# Altium PCB RFPCB_REV-B.PcbDoc (continued)
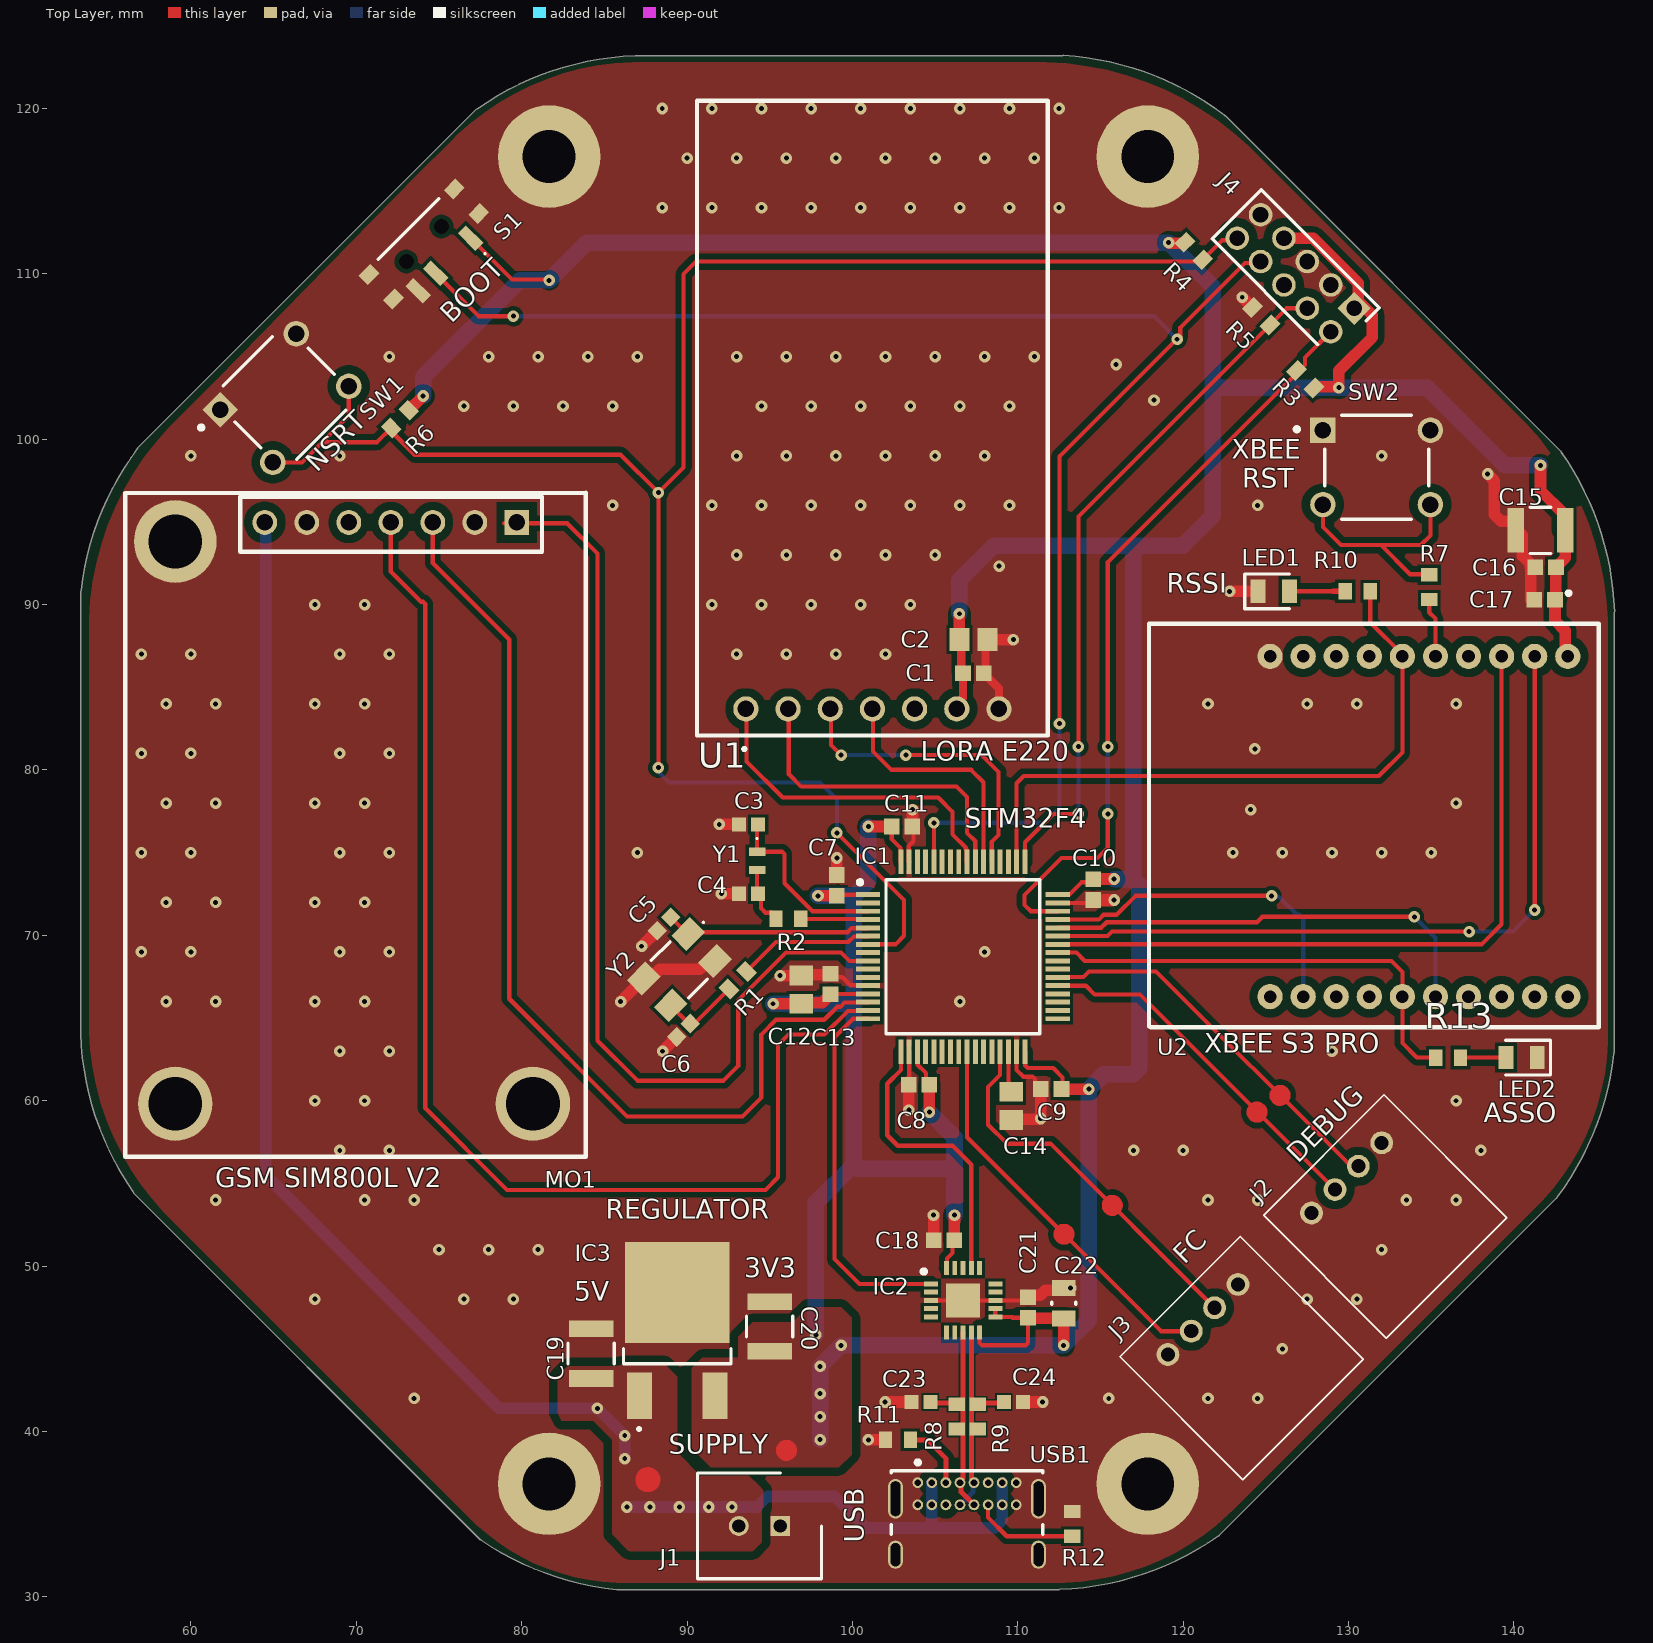
[diagram p0: Top Layer view]
## Part data
C1 C7 C8 C9 C10 C11 C13 C16 C17 C18 C21: library part CMP-001-00017-6, "Chip Capacitor, 100 nF, +/- 10%, 50 V, 0603 (1608 Metric)", Capacitor Type=Ceramic, Case/Package=0603, Max Operating Temperature=125°C, Min Operating Temperature=-55°C, Tolerance=10%, Voltage Rating=50V, Mounting Technology=SM, Pins=2, RoHS Compliant=True
C2 C12 C14: library part CMP-001-00007-6, "Chip Capacitor, 1 uF, +/- 10%, 50 V, 0805 (2012 Metric)", Capacitor Type=Ceramic, Case/Package=0805, Max Operating Temperature=125°C, Min Operating Temperature=-55°C, Tolerance=10%, Voltage Rating=50V, Mounting Technology=SM, Pins=2, RoHS Compliant=True
C3 C4 C5 C6 C23 C24: library part CMP-001-00005-6, "Chip Capacitor, 1 uF, +/- 10%, 25 V, 0603 (1608 Metric)", Capacitor Type=Ceramic, Case/Package=0603, Max Operating Temperature=125°C, Min Operating Temperature=-55°C, Tolerance=10%, Voltage Rating=25V, Mounting Technology=SM, Pins=2, RoHS Compliant=True
C15 C19 C20: library part CMP-03422-000918-1, "CAP CER 1UF 50V X7R 1210", Capacitance=1uF, Manufacturer=Yageo, Manufacturer Part Number=CC1210KKX7R9BB105, Package=CC1210-GA, Temperature="-55°C to +125°C", Temperature Characteristic=X7R, Temperature Coefficient=15%, Temperature Range High=+125°C, Temperature Range Low=-55°C, Tolerance=10%, Voltage Rating=50V, Automotive=No, Category=Cap, ComponentLink2Description=Datasheet, ComponentLink2URL=http://www.yageo.com/documents/recent/UPY-GPHC_X7R_6.3V-to-50V_18.pdf, Device Class L1="Passive Components", Device Class L2=Capacitors, Device Class L3="Ceramic Capacitors", Digikey Description="CAP CER 1UF 50V X7R 1210", Footprint Url=http://www.yageo.com/exep/pages/download/literatures/UPY-C_GEN_24.pdf, Height=1.45mm, Ipc Land Pattern Name=CAPC320250X125, Lead Free=Yes, Material=Ceramic, Mouser Description="1210 1 uF 50 V ±10 % Tolerance X7R SMT Multilayer Ceramic Capacitor", Octopart=https://octopart.com/cc1210kkx7r9bb105-yageo-22054290, RoHS=TRUE
C22: library part CMP-2100-03606-3, "CAP CER 0.1UF 50V X7R 0805", Capacitance="100 nF", Manufacturer=Yageo, Manufacturer Part Number=CC0805KRX7R9BB104, Package=CC0805-0.85, Temperature="-30°C to +85°C", Temperature Characteristic=X7R, Temperature Range High=+85°C, Temperature Range Low=-30°C, Tolerance=0.1, Voltage Rating="50 V", Automotive=No, Category=Cap, ComponentLink2Description=Datasheet, ComponentLink2URL=http://www.yageo.com/documents/recent/UPY-GPHC_Y5V_6.3V-to-50V_8.pdf, Device Class L1="Passive Components", Device Class L2=Capacitors, Device Class L3="Ceramic Capacitors", Digikey Description="CAP CER 0.1UF 50V X7R 0805", Footprint Url=http://www.yageo.com/exep/pages/download/literatures/UPY-C_GEN_24.pdf, Height=0.95mm, Ipc Land Pattern Name=CAPC200125X85, Lead Free=Yes, Material=Ceramic, Mouser Description="Multilayer Ceramic Capacitors MLCC - SMD/SMT 100nF 50V X7R 10%", Octopart=https://octopart.com/cc0805krx7r9bb104-yageo-192993, RoHS=TRUE
IC1: "Integrated Circuit", Manufacturer_Name=STMicroelectronics, Mouser Part Number=511-STM32F446RET6TR, Arrow Part Number=STM32F446RET6TR, Arrow Price/Stock=https://www.arrow.com/en/products/stm32f446ret6tr/stmicroelectronics?utm_currency=USD&region=nac, Datasheet Link=https://www.arrow.com/en/products/stm32f446ret6tr/stmicroelectronics, Height=1.6mm, Manufacturer_Part_Number=STM32F446RET6TR, Mouser Price/Stock=https://www.mouser.co.uk/ProductDetail/STMicroelectronics/STM32F446RET6TR?qs=xZ%2FP%252Ba9zWqYaBJrnMqQZtg%3D%3D
IC2: "Integrated Circuit", Manufacturer_Name="FTDI Chip", Mouser Part Number=895-FT231XQ-R, Arrow Part Number=FT231XQ-R, Arrow Price/Stock=https://www.arrow.com/en/products/ft231xq-r/ftdi-chip?region=nac, Datasheet Link=http://www.ftdichip.com/Support/Documents/DataSheets/ICs/DS_FT231X.pdf, Height=0.8mm, Manufacturer_Part_Number=FT231XQ-R, Mouser Price/Stock=https://www.mouser.co.uk/ProductDetail/FTDI/FT231XQ-R?qs=Gp1Yz1mis3VkAf3iW%252BkumQ%3D%3D
IC3: "Integrated Circuit", Manufacturer_Name=STMicroelectronics, Mouser Part Number=511-LD29150DT33R, Arrow Part Number=LD29150DT33R, Arrow Price/Stock=https://www.arrow.com/en/products/ld29150dt33r/stmicroelectronics?region=nac, Datasheet Link=http://www.st.com/web/en/resource/technical/document/datasheet/CD00003403.pdf, Manufacturer_Part_Number=LD29150DT33R, Mouser Price/Stock=https://www.mouser.co.uk/ProductDetail/STMicroelectronics/LD29150DT33R?qs=M4RLcaOHglr1iYLz8rxZ4g%3D%3D
J1: "Connector", Arrow Part Number=B02B-XASK-1(LF)(SN), Manufacturer_Name="JST (JAPAN SOLDERLESS TERMINALS)", Mouser Part Number=N/A, Arrow Price/Stock=https://www.arrow.com/en/products/b02b-xask-1-lf-sn/jst-manufacturing?utm_currency=USD&region=europe, Datasheet Link=http://www.jst-mfg.com/product/pdf/eng/eXA1.pdf, Height=8.8mm, Manufacturer_Part_Number=B02B-XASK-1(LF)(SN), Mouser Price/Stock=https://www.mouser.co.uk/ProductDetail/JST-Commercial/B02B-XASK-1LFSN?qs=IKkN%2F947nfBty2GocXf7QA%3D%3D
J2 J3: "Connector", Manufacturer_Name=Molex, Arrow Part Number=353630460, Arrow Price/Stock=https://www.arrow.com/en/products/35363-0460/molex?region=nac, Datasheet Link=https://www.molex.com/pdm_docs/sd/353630260_sd.pdf, Height=5.5mm, Manufacturer_Part_Number=353630460
J4: "Connector", Manufacturer_Name=Molex, Mouser Part Number=538-87758-1016, Arrow Part Number=87758-1016, Arrow Price/Stock=https://www.arrow.com/en/products/87758-1016/molex?region=nac, Datasheet Link=http://www.molex.com/pdm_docs/sd/877581016_sd.pdf, Height=5.95mm, Manufacturer_Part_Number=87758-1016, Mouser Price/Stock=https://www.mouser.co.uk/ProductDetail/Molex/87758-1016?qs=9Wl4wMk6NjrOw5AcqxMewg%3D%3D
LED1 LED2: "LED", Manufacturer_Name=Kingbright, Mouser Part Number=N/A, Arrow Part Number=KP-2012CGCK, Arrow Price/Stock=https://www.arrow.com/en/products/kp-2012cgck/kingbright?utm_currency=USD&region=europe, Datasheet Link=https://componentsearchengine.com/Datasheets/2/KP-2012CGCK.pdf, Height=1.1mm, Manufacturer_Part_Number=KP-2012CGCK, Mouser Price/Stock=https://www.mouser.co.uk/ProductDetail/Kingbright/KP-2012CGCK?qs=2JU0tDl2GZ3tjMUbXin2qw%3D%3D
MO1: library part SIM800LV2.0, "GSM Module"
R1 R2 R3 R4 R5 R6 R7 R8 R9 R10 R11 R12 R13: library part CMP-009-00017-5, "Chip Resistor, 10 KOhm, +/- 1%, 01 W, -55 to 155 degC, 0603 (1608 Metric)", Case/Package=0603, Max Operating Temperature=155°C, Min Operating Temperature=-55°C, Power=100mW, Tolerance=1%, Voltage Rating=50V, Mounting Technology=SM, Pins=2, RoHS Compliant=True
S1: "Switch", Manufacturer_Name="Nidec Copal", Mouser Part Number=229-CUS-12TB, Datasheet Link=https://www.nidec-copal-electronics.com/e/catalog/switch/cus.pdf, Height=1.4mm, Manufacturer_Part_Number=CUS-12TB, Mouser Price/Stock=https://www.mouser.co.uk/ProductDetail/Nidec-Components/CUS-12TB?qs=XeJtXLiO41Q1Ug1dC3Bq%2FQ%3D%3D
SW1 SW2: library part CMP-03402-000004-1, "SWITCH TACTILE SPST-NO 0.05A 24V", Contact Current Rating=50mA, Contact Resistance=100mΩ, Manufacturer="TE Connectivity", Operating Force=160gf, Temperature="-35°C to +85°C", Temperature Range High=+85°C, Temperature Range Low=-35°C, Voltage Rating Dc=24V, Automotive=No, Category=Switch, ComponentLink2Description=Datasheet, ComponentLink2URL=https://www.te.com/commerce/DocumentDelivery/DDEController?Action=showdoc&DocId=Customer+Drawing%7F1825910%7FC10%7Fpdf%7FEnglish%7FENG_CD_1825910_C10.pdf%7F2-1825910-7, Device Class L1=Electromechanical, Device Class L2=Switches, Device Class L3="Pushbutton Switches", Digikey Description="SWITCH TACTILE SPST-NO 0.05A 24V", Electromechanical Life=100000Cycles, Height=13.3mm, Lead Free=Yes, Manufacturer Part Number=2-1825910-7, Mount="Through Hole", Mouser Description="Switch Tactile OFF (ON) SPST Extended Round Button PC Pins 0.05A 24VDC 100000Cycles 1.57N Thru-Hole Loose", Octopart=https://octopart.com/2-1825910-7-te+connectivity-42270510, Package=2-1825910-7, RoHS=TRUE, Throw Configuration=SPST-NO
U1: library part "Lora 833"
Y1: "Crystal or Oscillator", Manufacturer_Name=ABRACON, Mouser Part Number=815-ABS05W32.768KD2T, Arrow Part Number=ABS05W-32.768KHZ-D-2-T, Arrow Price/Stock=https://www.arrow.com/en/products/abs05w-32.768khz-d-2-t/abracon?utm_currency=USD&region=nac, Datasheet Link=https://abracon.com/Resonators/ABS05W.pdf, Height=0.5mm, Manufacturer_Part_Number=ABS05W-32.768KHZ-D-2-T, Mouser Price/Stock=https://www.mouser.co.uk/ProductDetail/ABRACON/ABS05W-32.768KHZ-D-2-T?qs=r5DSvlrkXmJ0aADBg3hvfA%3D%3D
Y2: "Crystal or Oscillator", Manufacturer_Name=ABRACON, Datasheet Link=https://abracon.com/AIGcrystals/ABM3BAIG.pdf, Height=0.9mm, Manufacturer_Part_Number=ABM3BAIG-16.000MHZ-12-3-T

## Free pads (board coordinates)
  round 0.127 on Mech2: 1(53.202,74.104) 1(53.202,74.104) 1(53.456,90.779) 1(53.474,90.779) 1(55.268,87.496) 1(55.268,87.476) 1(56.649,54.479) 1(56.688,54.459) 1(77.334,119.849) 1(77.344,119.839) 1(77.59,33.538) 1(77.597,33.546) 1(85.76,30.571) 1(85.76,30.571) 1(86.903,123.071) 1(86.956,123.071) 1(112.456,30.571) 1(112.51,30.571) 1(112.757,123.071) 1(112.757,123.079) 1(122.068,33.803) 1(122.078,33.793) 1(122.449,119.479) 1(122.496,119.431) 1(142.432,54.147) 1(142.489,54.204) 1(142.724,99.183) 1(142.734,99.193) 1(145.937,89.619) 1(145.956,89.571)
  round 6.2 hole 3.2: 2(81.661,36.83) 2(81.661,117.094) 2(117.856,36.83) 2(117.856,117.094)

## Via types
v1: diameter 0.7, hole 0.3, Top Layer to Bottom Layer, tented both sides, 226 vias
v2: diameter 0.7, hole 0.3, Top Layer to Bottom Layer, 3 vias

## Nets (pads, with @x,y where several pads share a name; then routed paths per layer and width w, separated by ;. In a path a pad name is that pad's centre, name@x,y a point inside that pad or via, vN(x,y) a via of type N, cw(c..) or ccw(c..) an arc to the next point about the centre after c; other vN are vias at no path point)
3v3: C1.1 C2.1 C7.1 C8.1 C9.1 C10.1 C11.1 C12.1 C13.1 C15.1 C16.1 C17.1 C18.1 C20.1 C21.1 C22.1 IC1.1 IC1.13 IC1.19 IC1.32 IC1.48 IC1.64 IC2.10 IC2.11 IC2.12 IC2.20 IC3.2 J4.1 J4.7 R3.1 R4.1 R6.1 S1.1 U1.6 U2.1 | length 317.8
  Top Layer w0.254: S1.1 79.414,109.658 81.604,109.658 v1(81.661,109.601) ; C13.1 98.705,66.457 IC1.13 ; C7.1 99.117,72.457 IC1.1 ; C11.1 102.372,75.829 102.907,75.294 102.907,74.468 IC1.64 ; IC1.19 103.953,62.946 103.953,62.167 104.453,61.667 104.453,61.155 C8.1 ; IC2.20 105.711,49.897 105.711,50.466 106.045,50.8 106.045,51.445 C18.1 ; IC2.10@107.688,46.307 IC2.10 107.688,45.361 107.837,45.212 110.462,45.212 110.611,45.361 110.611,46.879 109.687,46.879 109.687,46.924 IC2.11 IC2.12 ; IC1.32 110.453,62.946 110.453,62.125 110.602,61.976 112.141,61.976 112.704,61.413 112.704,60.771 C9.1 ; IC1.48 112.441,72.48 113.12,72.48 113.847,73.207 114.375,73.207 C10.1
  Top Layer w0.5: U1.6 106.309,83.97 106.69,84.351 C1.1 106.577,85.965 106.577,87.772 C2.1
  Top Layer w0.7: R6.1 v2(74.041,102.616) ; v1(95.201,65.864) C12.1 96.96,65.923 98.171,65.923 C13.1 ; v1(97.917,72.39) 99.05,72.39 C7.1 ; v1(100.965,76.581) C11.1 ; v1(104.648,59.309) C8.1 ; C18.1 106.162,52.695 106.172,52.705 v1(106.172,53.086) ; C2.1 v2(106.465,89.447) ; C21.1 110.64,46.85 112.753,46.85 C22.1 v1(112.776,45.212) ; C9.1 v1(114.3,60.706) ; C10.1 114.574,73.406 v1(115.824,73.406) ; v1(119.126,111.887) 119.174,111.839 120.049,111.839 R4.1 ; J4.7 127.872,112.158 130.59,109.44 130.59,108.347 131.445,107.492 131.445,106.172 129.413,104.14 v1(129.413,103.124) 129.365,103.172 128.053,103.172 127.982,103.102 R3.1 ; v1(141.605,98.425) 141.605,96.901 142.955,95.551 142.955,94.538 C15.1@143.005,94.488 ; C15.1 143.105,92.823 C16.1 142.539,90.352 C17.1 142.484,89.037 143.097,88.424 143.097,87.027 U2.1 ; 96.296,38.862 ccw(c96.012,38.862) 96.296,38.862
  Bottom Layer w1: v2(74.041,102.616) 74.041,103.759 79.883,109.601 v1(81.661,109.601) 83.947,111.887 v1(119.126,111.887) 121.793,109.22 121.793,103.124 ; v1(95.201,65.864) 99.871,65.864 100.076,65.659 ; v1(97.79,45.847) 97.79,53.848 100.076,56.134 ; v1(97.917,72.39) 100.076,72.39 ; v1(98.044,39.511) v1(98.044,40.894) v1(98.044,42.291) v1(98.044,43.942) v1(99.314,45.212) v1(112.776,45.212) 114.3,46.736 v1(114.3,60.706) 115.189,61.595 116.967,61.595 117.348,61.976 117.348,73.055 ; v1(100.965,76.581) 100.965,73.279 100.076,72.39 ; v1(104.648,59.309) 106.172,57.785 106.172,55.88 ; v1(106.172,53.086) 106.172,55.88 ; v2(106.465,89.447) 106.465,91.479 108.541,93.555 116.967,93.555 ; v1(115.824,73.406) 116.997,73.406 117.348,73.055 ; v1(141.605,98.425) 139.446,98.425 134.747,103.124 v1(129.413,103.124) 121.793,103.124 ; 100.076,56.134 100.076,65.659 ; 100.076,56.134 100.33,55.88 106.172,55.88 ; 100.076,65.659 100.076,72.39 ; 116.967,93.555 116.967,73.436 117.348,73.055 ; 116.967,93.555 119.971,93.555 121.793,95.377 121.793,103.124
5v: C19.1 IC3.1 J1.2 MO1.7 USB1.A4 USB1.A9 USB1.B4 USB1.B9 | length 99.3
  Top Layer w1: 87.884,37.084 ccw(c87.63,37.084) 87.884,37.084
  Bottom Layer w0.7: MO1.7@64.516,94.967 64.516,55.499 78.613,41.402 v1(84.582,41.402) v1(86.233,39.751) v1(86.233,38.354) ; v1(86.36,35.433) v1(87.757,35.433) v1(89.535,35.433) v1(91.313,35.433) v1(92.71,35.433) 94.234,35.433 94.869,36.068 98.933,36.068 100.838,34.163 108.585,34.163 109.054,34.632 USB1.B4 USB1.A9 ; 104.804,34.573 USB1.B9 USB1.A4
BOOT: IC1.60 J4.8 S1.2 | length 95.4
  Top Layer w0.254: S1.2 77.388,107.442 v1(79.502,107.442) ; IC1.60 v1(104.93,76.807) ; v1(112.522,82.804) 112.522,98.967 v1@119.617,106.062 ; v1(119.634,106.045) 119.828,106.239 119.828,106.747 123.735,110.654 124.589,110.654 J4.8
  Bottom Layer w0.254: v1(79.502,107.442) 118.237,107.442 v1(119.634,106.045) ; v1(104.93,76.807) 111.605,76.807 112.522,77.724 v1(112.522,82.804)
FT_D_N: C24.1 IC2.9 R9.1 R9.2 USB1.A7 USB1.B7 | length 12.5
  Top Layer w0.3: IC2.9 107.188,37.171 107.354,37.005 USB1.A7 ; R9.2 107.639,41.714 109.084,41.714 C24.1
  Bottom Layer w0.3: USB1.B7 107.287,36.343 107.287,36.843 USB1.A7
FT_D_P: C23.1 IC2.8 R8.1 R8.2 USB1.A6 USB1.B6 | length 12.5
  Top Layer w0.3: C23.1 104.784,41.714 106.229,41.714 R8.2 ; IC2.8 106.688,37.189 106.504,37.005 USB1.A6 106.571,36.843 106.571,36.343 USB1.B6
FT_Rx: IC1.17 IC2.17 | length 17.5
  Top Layer w0.254: IC1.17 102.93,61.85 102.108,61.028 102.108,57.912 102.743,57.277 106.045,57.277 107.188,56.134 IC2.17
FT_Tx: IC1.16 IC2.1 | length 22.3
  Top Layer w0.254: IC1.16 100.038,64.957 98.923,63.842 98.923,50.429 100.428,48.924 IC2.1
GND: C1.2 C2.2 C3.2 C4.2 C5.2 C6.2 C7.2 C8.2 C9.2 C10.2 C11.2 C12.2 C13.2 C14.2 C15.2 C16.2 C17.2 C18.2 C19.2 C20.2 C21.2 C22.2 C23.2 C24.2 IC1.12 IC1.18 IC1.31 IC1.47 IC1.63 IC2.3 IC2.13 IC2.21 IC3.3 J1.1 J2.1 J2.4 J3.1 J3.4 J4.3 J4.5 J4.9 LED1.1 LED2.1 MO1.2 MO1.6 MO1.MH1 MO1.MH2 MO1.MH3 pad.2 R5.2 R11.1 R12.1 S1.3 S1.MP1 S1.MP2 S1.MP3 S1.MP4 SW1.1 SW1.2 SW2.1 SW2.2 U1.7 U2.10 USB1.1 USB1.2 USB1.3 USB1.4 USB1.A1 USB1.A12 USB1.B1 USB1.B12 Y2.2 Y2.4 | length 67.2
  Top Layer w0.254: C13.2 98.888,67.472 99.386,67.472 99.878,66.98 100.919,66.98 IC1.12 ; IC1.18 103.43,61.299 C8.2@103.642,61.087 ; IC1.63 103.407,74.468 103.407,75.409 103.688,75.69 C11.2@103.688,76.393 ; IC2.3 IC2.21 IC2.13 110.418,47.924 C21.2 ; IC1.31 109.93,61.85 110.326,61.454 110.892,61.454 111.041,61.306 111.041,61.054 C9.2 ; IC1.47 114.375,71.957 C10.2
  Top Layer w0.5: C2.2 108.052,87.772 108.052,85.964 C1.2 108.859,84.933 U1.7
  Top Layer w0.7: v1(85.979,65.991) Y2.2 87.805,67.392 88.358,67.945 90.762,67.945 91.27,68.453 Y2.4 ; v1(87.249,69.342) C5.2 ; v1(88.519,62.992) C6.2 ; v1(91.948,76.708) C3.2 ; v1(92.075,72.517) C4.2 ; v1(95.631,67.564) C12.2 96.96,67.623 98.621,67.623 C13.2 ; C7.2 v1(99.06,74.676) ; v1(100.965,39.497) R11.1 ; v1(101.981,41.783) C23.2 ; C8.2 103.398,59.456 v1(103.418,59.436) ; C11.2 103.632,76.591 v1(103.632,77.597) ; v1(104.902,53.086) 104.912,53.076 C18.2 ; C2.2 v2(109.728,87.884) ; C14.2 109.64,58.879 111.33,58.879 111.389,58.938 C9.2 ; C24.2 v1(111.506,41.783) ; C21.2 110.742,48.248 111.367,48.248 111.671,48.552 112.651,48.552 C22.2 v1(113.196,48.677) ; C10.2 v1(115.824,72.136) ; v1(122.809,90.805) LED1.1 ; v1(123.571,108.585) R5.2 ; v1(138.411,97.898) 138.811,97.499 138.811,95.448 139.221,95.038 139.905,95.038 140.205,94.738 140.205,94.488 140.505,94.188 140.505,92.967 140.989,92.482 140.989,92.257 141.011,92.235 141.011,90.319 C17.2@141.033,90.297
  other v1: 73.5,42 115.5,42 121.5,42 124.5,42 126,45 67.5,48 76.5,48 79.5,48 127.5,48 130.5,48 75,51 78,51 81,51 132,51 61.5,54 70.5,54 73.5,54 121.5,54 124.5,54 133.5,54 136.5,54 69,57 72,57 117,57 120,57 138,57 111.379,58.928 67.5,60 70.5,60 136.5,60 69,63 72,63 129,63 58.5,66 61.5,66 67.5,66 70.5,66 106.5,66 57,69 60,69 69,69 72,69 108,69 58.5,72 61.5,72 67.5,72 70.5,72 57,75 60,75 69,75 72,75 87,75 123,75 126,75 129,75 132,75 135,75 124.079,77.597 58.5,78 61.5,78 67.5,78 70.5,78 136.5,78 57,81 60,81 69,81 72,81 124.333,81.28 58.5,84 61.5,84 67.5,84 70.5,84 121.5,84 127.5,84 130.5,84 136.5,84 57,87 60,87 69,87 72,87 93,87 96,87 99,87 102,87 67.5,90 70.5,90 91.5,90 94.5,90 97.5,90 100.5,90 103.5,90 108.876,92.329 93,93 96,93 99,93 102,93 105,93 85.5,96 91.5,96 94.5,96 97.5,96 100.5,96 103.5,96 106.5,96 109.5,96 124.5,96 60,99 69,99 93,99 96,99 99,99 102,99 105,99 108,99 132,99 76.5,102 79.5,102 82.5,102 85.5,102 94.5,102 97.5,102 100.5,102 103.5,102 106.5,102 109.5,102 118.237,102.362 115.951,104.521 72,105 78,105 81,105 84,105 87,105 93,105 96,105 99,105 102,105 105,105 108,105 111,105 88.5,114 91.5,114 94.5,114 97.5,114 100.5,114 103.5,114 106.5,114 109.5,114 112.5,114 90,117 93,117 96,117 99,117 102,117 105,117 108,117 111,117 88.5,120 91.5,120 94.5,120 97.5,120 100.5,120 103.5,120 106.5,120 109.5,120 112.5,120
GSM_RST: IC1.9 MO1.1 | length 59
  Top Layer w0.254: 78.942,94.922 79.705,94.922 82.751,94.922 84.582,93.091 84.582,63.627 86.995,61.214 92.202,61.214 93.091,62.103 93.091,66.058 95.994,68.961 99.314,68.961 99.818,68.457 IC1.9
GSM_Rx: IC1.15 MO1.4 | length 74.3
  Top Layer w0.254: MO1.4 72.085,91.999 73.914,90.17 74.035,90.17 74.168,90.037 74.168,59.563 79.121,54.61 94.742,54.61 95.504,55.372 95.504,63.373 96.139,64.008 98.298,64.008 99.724,65.434 100.919,65.434 IC1.15
GSM_Tx: IC1.14 MO1.3 | length 60.4
  Top Layer w0.254: MO1.3 74.625,92.507 79.248,87.884 79.248,66.167 86.36,59.055 93.345,59.055 94.492,60.202 94.492,64.012 95.377,64.897 98.298,64.897 99.08,65.679 99.269,65.679 99.524,65.934 100.919,65.934 IC1.14
HSE_IN: C5.1 IC1.5 Y2.1 | length 12.5
  Top Layer w0.254: C5.1 90.028,70.079 Y2.1 90.174,70.185 99.696,70.185 99.945,70.434 100.919,70.434 IC1.5
HSE_OUT: IC1.6 R1.1 | length 8.2
  Top Layer w0.254: R1.1 95.377,69.596 99.749,69.596 100.087,69.934 100.919,69.934 IC1.6
LoRa_M0: IC1.56 U1.1 | length 20.4
  Top Layer w0.254: U1.1@93.599,83.82 93.599,80.518 95.789,78.328 105.187,78.328 106.045,77.47 106.045,76.109 106.857,75.297 106.857,75.204 106.907,75.154 106.907,74.468 IC1.56
LoRa_M1: IC1.55 U1.2 | length 19.6
  Top Layer w0.254: U1.2@96.149,83.82 96.149,79.746 96.901,78.994 106.299,78.994 106.934,78.359 106.934,76.2 107.43,75.704 IC1.55
LoRa_Rx: IC1.54 U1.4 | length 15
  Top Layer w0.254: U1.4@101.249,83.82 101.249,81.123 102.362,80.01 107.181,80.01 107.93,79.261 IC1.54
LoRa_Tx: IC1.53 U1.3 | length 18.7
  Top Layer w0.254: U1.3@98.699,83.82 98.699,81.514 v1(99.314,80.899) ; v1(103.227,80.899) 107.823,80.899 108.839,79.883 108.839,76.073 108.43,75.664 IC1.53
  Bottom Layer w0.254: v1(99.314,80.899) v1(103.227,80.899)
LSE_IN: C3.1 IC1.3 Y1.1 | length 11.2
  Top Layer w0.254: C3.1@94.234,76.641 Y1.1 ; Y1.1@94.611,74.934 94.357,74.934 Y1.1 ; IC1.3 97.58,71.457 95.885,73.152 95.885,74.908 95.736,75.057 94.611,75.057 94.357,75.057 Y1.1
LSE_OUT: IC1.4 R2.1 | length 4.1
  Top Layer w0.254: R2.1 100.318,70.993 100.331,70.98 100.919,70.98 IC1.4
NetC4_1: C4.1 R2.2 Y1.2 | length 3.7
  Top Layer w0.254: Y1.2 94.234,72.711 C4.1@94.428,72.517 ; C4.1 94.472,72.346 94.472,71.644 94.75,71.366 95.104,71.366 95.377,71.093 R2.2
NetC6_1: C6.1 R1.2 Y2.3 | length 4.9
  Top Layer w0.254: Y2.3 90.104,64.669 C6.1 90.45,64.669 R1.2
NetC14_1: C14.1 IC1.30 | length 2.5
  Top Layer w0.254: IC1.30 109.43,60.877 C14.1@109.728,60.579
NetLED1_2: LED1.2 R10.1 | length 3.4
  Top Layer w0.254: LED1.2 129.056,90.805
  Top Layer w0.354: 129.056,90.805 R10.1
NetLED2_2: LED2.2 R13.1 | length 2.6
  Top Layer w0.254: R13.1@136.906,62.611 LED2.2
NetR7_1: R7.1 SW2.3 SW2.4 | length 14
  Top Layer w0.254: SW2.3 128.449,94.69 129.54,93.599 131.953,93.599 ; R7.1@134.849,91.834 133.718,91.834 131.953,93.599 ; SW2.4 134.949,94.182 134.366,93.599 131.953,93.599
NetR11_2: R11.2 USB1.A5 | length 4.1
  Top Layer w0.3: R11.2 104.521,39.497 105.664,38.354 105.664,36.92 USB1.A5
NetR12_2: R12.2 USB1.B5 | length 6.3
  Top Layer w0.254: USB1.B5 108.204,34.798 109.335,33.667 R12.2
NRST: IC1.7 J4.10 R4.2 R6.2 SW1.3 SW1.4 | length 118.9
  Top Layer w0.254: SW1.3 66.723,98.6 67.945,99.822 ; SW1.4 69.548,101.425 67.945,99.822 ; v1(88.265,80.137) v1(88.265,96.774) ; v1(99.06,76.2) 103.124,72.136 103.124,69.977 102.604,69.457 IC1.7 ; J4.10 123.134,112.027 122.358,112.027 121.076,110.744 121.042,110.778 120.724,110.778 120.69,110.744 90.551,110.744 89.789,109.982 89.789,98.298 v1(88.265,96.774) ; 67.945,99.822 71.247,99.822 R6.2 72.114,100.479 73.533,99.06 85.979,99.06 v1(88.265,96.774)
  Bottom Layer w0.254: v1(88.265,80.137) 88.265,79.883 88.9,79.248 98.044,79.248 99.06,78.232 v1(99.06,76.2)
STM_RX: IC1.29 J3.3 | length 24.8
  Top Layer w0.254: IC1.29 108.93,61.561 108.204,60.835 108.204,58.545 109.345,57.404 111.98,57.404 J3.3
  Top Layer w0.7: 115.996,53.671 ccw(c115.712,53.671) 115.996,53.671
STM_TX: IC1.25 J3.2 | length 25.4
  Top Layer w0.254: IC1.25 106.93,57.789 118.652,46.067 J3.2
  Top Layer w0.7: 113.075,51.928 ccw(c112.791,51.928) 113.075,51.928
SWDCLK: IC1.49 J4.4 R5.1 | length 42.2
  Top Layer w0.254: IC1.49 110.43,75.632 112.141,77.343 v1(113.665,77.343) ; v1(113.665,81.407) 113.665,95.332 R5.1 126.248,107.916 J4.4
  Bottom Layer w0.254: v1(113.665,77.343) v1(113.665,81.407)
SWDIO: IC1.46 J4.2 R3.2 | length 45.8
  Top Layer w0.254: IC1.46 110.788,71.457 110.405,71.84 110.405,72.432 112.649,74.676 114.808,74.676 115.443,75.311 v1(115.443,77.343) ; v1(115.443,81.407) 115.443,92.583 126.937,104.076 127.359,104.499 127.359,104.938 J4.2
  Bottom Layer w0.254: v1(115.443,77.343) v1(115.443,81.407)
UART_RX_BR: IC1.38 J2.3 | length 25
  Top Layer w0.254: IC1.38 112.441,67.48 113.962,67.48 114.3,67.818 118.364,67.818 129.925,56.257 130.375,56.257 J2.3
  Top Layer w0.7: 126.141,60.325 ccw(c125.857,60.325) 126.141,60.325
UART_TX_BR: IC1.37 J2.2 | length 23.6
  Top Layer w0.254: IC1.37 114.111,66.957 114.647,66.421 117.382,66.421 J2.2
  Top Layer w0.7: 124.744,59.309 ccw(c124.46,59.309) 124.744,59.309
Xbee_ASSO: IC1.41 R13.2 U2.15 | length 28
  Top Layer w0.254: IC1.41 113.542,68.957 114.046,68.453 132.588,68.453 133.255,67.786 U2.15 133.255,63.483 134.127,62.611 R13.2
Xbee_CTS: IC1.44 U2.16 | length 27.2
  Top Layer w0.254: IC1.44 115.041,70.457 115.377,70.793 124.457,70.793 124.784,71.12 v1(133.985,71.12)
  Bottom Layer w0.254: v1(133.985,71.12) 135.255,69.85 U2.16
Xbee_RSSI: IC1.50 R10.2 U2.6 | length 39.4
  Top Layer w0.254: IC1.50 109.93,79.196 110.363,79.629 131.826,79.629 133.255,81.058 U2.6 133.255,86.983 131.306,88.932 R10.2
Xbee_RST: R7.2 U2.5 | length 3.6
  Top Layer w0.254: R7.2 134.874,89.535 135.255,89.154 U2.5
Xbee_RTS: IC1.45 U2.12 | length 20.7
  Top Layer w0.254: IC1.45 114.899,70.957 115.189,71.247 115.969,71.247 117.112,72.39 v1(125.349,72.39)
  Bottom Layer w0.254: v1(125.349,72.39) 125.421,72.318 125.802,72.318 126.873,71.247 127,71.247 127.255,70.992 U2.12
Xbee_RxD: IC1.43 U2.2 | length 44.8
  Top Layer w0.254: IC1.43 115.423,69.957 115.697,70.231 v1(137.287,70.231) ; v1(141.255,71.532) U2.2
  Bottom Layer w0.254: v1(137.287,70.231) 139.954,70.231 v1(141.255,71.532)
Xbee_TxD: IC1.42 U2.3 | length 43.5
  Top Layer w0.254: IC1.42 138.037,69.457 139.255,70.675 U2.3
pads on no net: IC1.2 IC1.8 IC1.10 IC1.11 IC1.20 IC1.21 IC1.22 IC1.23 IC1.24 IC1.26 IC1.27 IC1.28 IC1.33 IC1.34 IC1.35 IC1.36 IC1.39 IC1.40 IC1.51 IC1.52 IC1.57 IC1.58 IC1.59 IC1.61 IC1.62 IC2.2 IC2.4 IC2.5 IC2.6 IC2.7 IC2.14 IC2.15 IC2.16 IC2.18 IC2.19 J4.6 MO1.5 S1.MH1 S1.MH2 U1.5 U2.4 U2.7 U2.8 U2.9 U2.11 U2.13 U2.14 U2.17 U2.18 U2.19 U2.20 USB1.A8 USB1.B8

## Polygon pours and split planes (outlines as drawn)
GND on Top Layer "GND_L01_P010" (solid, remove dead copper, pour order 10): 73.66,115.951 75.77,118.061 cw(c87.232,106.599) 87.233,122.809 111.111,122.809 cw(c111.111,104.072) 124.36,117.321 140.352,101.329 cw(c127.516,88.493) 145.669,88.492 145.669,63.991 cw(c130.993,63.991) 141.37,53.613 123.059,35.302 cw(c112.337,46.023) 112.337,30.861 86.155,30.861 cw(c86.155,43.856) 76.966,34.667 58.76,52.873 cw(c70.619,64.732) 53.848,64.732 53.848,88.535 cw(c71.591,88.535) 59.045,101.082 61.595,103.632
5v on Top Layer "5V_L01_P000" (solid, remove dead copper, pour order 0): 86.233,44.069 88.646,44.069 89.408,43.307 89.408,38.735 90.805,37.338 93.726,37.338 94.615,36.449 94.615,33.401 93.98,32.766 86.487,32.766 85.471,33.782 85.471,39.497 84.328,40.64 82.423,40.64 82.169,41.148 82.169,43.307 82.804,43.942 85.598,43.942
3v3 on Top Layer "3V3_L01_P009" (solid, remove dead copper, pour order 9): 90.297,43.815 90.297,43.434 90.297,38.989 91.44,37.846 99.187,37.846 99.949,38.608 99.949,46.863 99.314,47.498 97.282,47.498 96.393,46.609 93.98,46.609 93.091,45.72 93.091,44.45 90.932,44.45
GND on Bottom Layer "GND_L02_P011" (solid, remove dead copper, pour order 11): 73.66,116.078 75.77,118.188 cw(c87.232,106.726) 87.233,122.936 111.111,122.936 cw(c111.111,104.199) 124.36,117.448 140.352,101.456 cw(c127.516,88.62) 145.669,88.619 145.669,64.118 cw(c130.993,64.118) 141.37,53.74 123.059,35.429 cw(c112.337,46.15) 112.337,30.988 86.155,30.988 cw(c86.155,43.983) 76.966,34.794 58.76,53 cw(c70.619,64.859) 53.848,64.859 53.848,88.662 cw(c71.591,88.662) 59.045,101.209 61.595,103.759

## Silkscreen, mask and mechanical layers (free items; w line width, h text height)
Top Overlay:
  text "BOOT" at 76.052,106.674 h2 r45
  text "XBEE" at 122.932,98.421 h2
  text "NSRT" at 67.924,97.657 h2 r45
  text "RST" at 123.567,96.673 h2
  text "RSSI" at 118.995,90.323 h2
  text "LORA E220" at 104.136,80.163 h2
  text "STM32F4" at 106.803,76.099 h2
  text "XBEE S3 PRO" at 121.281,62.51 h2
  text "ASSO" at 138.172,58.319 h2
  text "DEBUG" at 127.233,55.874 h2 r45
  text "GSM SIM800L V2" at 61.464,54.382 h2
  text "REGULATOR" at 85.086,52.477 h2
  text "FC" at 120.375,49.778 h2 r45
  text "3V3" at 93.468,48.921 h2
  text "5V" at 83.181,47.524 h2
  text "SUPPLY" at 88.896,38.253 h2
  text "USB" at 101.066,33.27 h2 r90
Top 3D Body:
  lines w0.254: 53.456,64.071 ccw(c71.074,64.646) 56.688,54.459 ; 53.474,90.779 cw(c70.989,88.796) 56.919,99.414 ; 77.344,119.839 cw(c87.531,105.454) 86.956,123.071 ; 77.597,33.546 ccw(c87.527,48.11) 85.76,30.571 ; 112.456,30.571 ccw(c111.882,48.189) 122.068,33.803 ; 112.757,123.079 cw(c111.72,105.483) 122.496,119.431 ; 142.432,54.147 ccw(c128.397,64.811) 145.938,63.073 ; 142.724,99.183 cw(c128.339,88.997) 145.956,89.571
Top Courtyard:
  circle w0.013: c81.661,36.83 r3.1
  circle w0.013: c81.661,117.094 r3.1
  circle w0.013: c117.856,36.83 r3.1
  circle w0.013: c117.856,117.094 r3.1
Board:
  circle w0.013: c81.661,36.83 r1.6
  circle w0.013: c81.661,117.094 r1.6
  circle w0.013: c118.364,11.43 r1.6
  circle w0.013: c117.856,117.094 r1.6
Drill Drawing:
  drawing of 184 lines, arcs and shapes, not listed
  text "Symbol" at 43.031,197.358 h1.83
  text "Count" at 55.88,197.358 h1.83
  text "Hole Size" at 71.116,197.358 h1.83
  text "Plated" at 100.317,197.358 h1.83
  text "Hole Type" at 113.167,197.358 h1.83
  text "Drill Layer Pair" at 131.805,197.358 h1.83
  text "Via/Pad" at 169.894,197.358 h1.83
  text "Pad Shape" at 184.876,197.358 h1.83
  text "Template" at 212.554,197.358 h1.83
  text "Description" at 254.197,197.358 h1.83
  text "Hole Tolerance (+)" at 275.883,197.358 h1.83
  text "Hole Tolerance (-)" at 309.757,197.358 h1.83
  text "Hole Length" at 343.63,197.358 h1.83
  text "Routed Path Length" at 371.562,197.358 h1.83
  text "2" at 55.88,193.548 h1.52
  text "31.50mil (0.800mm)" at 71.116,193.548 h1.52
  text "PTH" at 100.317,193.548 h1.52
  text "Round" at 113.167,193.548 h1.52
  text "Top Layer - Bottom Layer" at 131.805,193.548 h1.52
  text "Pad" at 169.894,193.548 h1.52
  text "(Mixed)" at 184.876,193.548 h1.52
  text "(Mixed)" at 212.554,193.548 h1.52
  text "-" at 343.63,193.548 h1.52
  text "-" at 371.562,193.548 h1.52
  text "2" at 55.88,189.738 h1.52
  text "35.43mil (0.900mm)" at 71.116,189.738 h1.52
  text "NPTH" at 100.317,189.738 h1.52
  text "Round" at 113.167,189.738 h1.52
  text "Top Layer - Bottom Layer" at 131.805,189.738 h1.52
  text "Pad" at 169.894,189.738 h1.52
  text "Rounded" at 184.876,189.738 h1.52
  text "c45hn90" at 212.554,189.738 h1.52
  text "-" at 343.63,189.738 h1.52
  text "-" at 371.562,189.738 h1.52
  text "2" at 55.88,185.928 h1.52
  text "55.12mil (1.400mm)" at 71.116,185.928 h1.52
  text "PTH" at 100.317,185.928 h1.52
  text "Slot" at 113.167,185.928 h1.52
  text "Top Layer - Bottom Layer" at 131.805,185.928 h1.52
  text "Pad" at 169.894,185.928 h1.52
  text "Rounded Rectangle" at 184.876,185.928 h1.52
  text "r90_170h140_60r45m90_170p0" at 212.554,185.928 h1.52
  text "23.62mil (0.600mm)" at 343.63,185.928 h1.52
  text "-31.50mil (-0.800mm)" at 371.562,185.928 h1.52
  text "2" at 55.88,182.118 h1.52
  text "82.68mil (2.100mm)" at 71.116,182.118 h1.52
  text "PTH" at 100.317,182.118 h1.52
  text "Slot" at 113.167,182.118 h1.52
  text "Top Layer - Bottom Layer" at 131.805,182.118 h1.52
  text "Pad" at 169.894,182.118 h1.52
  text "Rounded Rectangle" at 184.876,182.118 h1.52
  text "r90_240h210_60r45m90_240p0" at 212.554,182.118 h1.52
  text "23.62mil (0.600mm)" at 343.63,182.118 h1.52
  text "-59.06mil (-1.500mm)" at 371.562,182.118 h1.52
  text "3" at 55.88,178.308 h1.52
  text "127.95mil (3.250mm)" at 71.116,178.308 h1.52
  text "NPTH" at 100.317,178.308 h1.52
  text "Round" at 113.167,178.308 h1.52
  text "Top Layer - Bottom Layer" at 131.805,178.308 h1.52
  text "Pad" at 169.894,178.308 h1.52
  text "Rounded" at 184.876,178.308 h1.52
  text "(Mixed)" at 212.554,178.308 h1.52
  text "-" at 343.63,178.308 h1.52
  text "-" at 371.562,178.308 h1.52
  text "4" at 55.88,174.498 h1.52
  text "125.98mil (3.200mm)" at 71.116,174.498 h1.52
  text "PTH" at 100.317,174.498 h1.52
  text "Round" at 113.167,174.498 h1.52
  text "Top Layer - Bottom Layer" at 131.805,174.498 h1.52
  text "Pad" at 169.894,174.498 h1.52
  text "Rounded" at 184.876,174.498 h1.52
  text "c620h320" at 212.554,174.498 h1.52
  text "-" at 343.63,174.498 h1.52
  text "-" at 371.562,174.498 h1.52
  text "8" at 55.88,170.688 h1.52
  text "33.47mil (0.850mm)" at 71.116,170.688 h1.52
  text "PTH" at 100.317,170.688 h1.52
  text "Round" at 113.167,170.688 h1.52
  text "Top Layer - Bottom Layer" at 131.805,170.688 h1.52
  text "Pad" at 169.894,170.688 h1.52
  text "Rounded" at 184.876,170.688 h1.52
  text "c138h85" at 212.554,170.688 h1.52
  text "-" at 343.63,170.688 h1.52
  text "-" at 371.562,170.688 h1.52
  text "8" at 55.88,166.878 h1.52
  text "38.98mil (0.990mm)" at 71.116,166.878 h1.52
  text "PTH" at 100.317,166.878 h1.52
  text "Round" at 113.167,166.878 h1.52
  text "Top Layer - Bottom Layer" at 131.805,166.878 h1.52
  text "Pad" at 169.894,166.878 h1.52
  text "(Mixed)" at 184.876,166.878 h1.52
  text "(Mixed)" at 212.554,166.878 h1.52
  text "-" at 343.63,166.878 h1.52
  text "-" at 371.562,166.878 h1.52
  text "10" at 55.88,163.068 h1.52
  text "37.40mil (0.950mm)" at 71.116,163.068 h1.52
  text "PTH" at 100.317,163.068 h1.52
  text "Round" at 113.167,163.068 h1.52
  text "Top Layer - Bottom Layer" at 131.805,163.068 h1.52
  text "Pad" at 169.894,163.068 h1.52
  text "(Mixed)" at 184.876,163.068 h1.52
  text "(Mixed)" at 212.554,163.068 h1.52
  text "-" at 343.63,163.068 h1.52
  text "-" at 371.562,163.068 h1.52
  text "14" at 55.88,159.258 h1.52
  text "39.37mil (1.000mm)" at 71.116,159.258 h1.52
  text "PTH" at 100.317,159.258 h1.52
  text "Round" at 113.167,159.258 h1.52
  text "Top Layer - Bottom Layer" at 131.805,159.258 h1.52
  text "Pad" at 169.894,159.258 h1.52
  text "(Mixed)" at 184.876,159.258 h1.52
  text "(Mixed)" at 212.554,159.258 h1.52
  text "-" at 343.63,159.258 h1.52
  text "-" at 371.562,159.258 h1.52
  text "16" at 55.88,155.448 h1.52
  text "15.75mil (0.400mm)" at 71.116,155.448 h1.52
  text "PTH" at 100.317,155.448 h1.52
  text "Round" at 113.167,155.448 h1.52
  text "Top Layer - Bottom Layer" at 131.805,155.448 h1.52
  text "Pad" at 169.894,155.448 h1.52
  text "Rounded" at 184.876,155.448 h1.52
  text "c65h40m65p0" at 212.554,155.448 h1.52
  text "-" at 343.63,155.448 h1.52
  text "-" at 371.562,155.448 h1.52
  text "20" at 55.88,151.638 h1.52
  text "30.00mil (0.762mm)" at 71.116,151.638 h1.52
  text "PTH" at 100.317,151.638 h1.52
  text "Round" at 113.167,151.638 h1.52
  text "Top Layer - Bottom Layer" at 131.805,151.638 h1.52
  text "Pad" at 169.894,151.638 h1.52
  text "Rounded" at 184.876,151.638 h1.52
  text "c152h76" at 212.554,151.638 h1.52
  text "-" at 343.63,151.638 h1.52
  text "-" at 371.562,151.638 h1.52
  text "229" at 55.88,147.828 h1.52
  text "11.81mil (0.300mm)" at 71.116,147.828 h1.52
  text "PTH" at 100.317,147.828 h1.52
  text "Round" at 113.167,147.828 h1.52
  text "Top Layer - Bottom Layer" at 131.805,147.828 h1.52
  text "Via" at 169.894,147.828 h1.52
  text "Rounded" at 184.876,147.828 h1.52
  text "(Mixed)" at 212.554,147.828 h1.52
  text "-" at 343.63,147.828 h1.52
  text "-" at 371.562,147.828 h1.52
  text "320 Total" at 55.88,144.018 h1.52
  text "Slot definitions :" at 43.031,140.336 h1.52
  text "Routed Path Length" at 69.261,140.336 h1.52
  text "= Calculated from tool start centre position to tool end centre position." at 97.269,140.336 h1.52
  text "Hole Length" at 69.261,137.796 h1.52
  text "= Routed Path Length + Tool Size = Slot length as defined in the PCB layout" at 86.858,137.796 h1.52